# Altium PCB PCB_ALMA_TESLA.PcbDoc (part 3 of 3)
Units mm, origin at the board's own origin, x right, y up, seen from the top; angles counter-clockwise.
Board outline 100 x 100 mm, 10 copper layers (Top Layer - Signal General / Componentes SoC, GND1 - Plano Tierra Principal, Inner SIG1 - Control / I2C / UART / GPIO / SAI2, PWR1 - Alimentacion Principal (3.3V / 1.8V / VDD_ARM), Inner SIG2 - LPDDR4 / eMMC (Bus Critico), Inner SIG3 - MIPI DSI / USB / Diferenciales, PWR2 - Alimentacion Auxiliar (1.0V / VDDQ / VBUS), Inner SIG4 - Audio SAI2 / BT UART / Clocks / Low-Noise, GND2 - Plano Tierra Retorno, Bottom Layer - Signal Perifericos / GPIO / Conectores), stack 1.564 mm thick; 82 components, 94 nets, 1091 pads, 206 vias.
Unrouted connection lines stored in the file: 13.
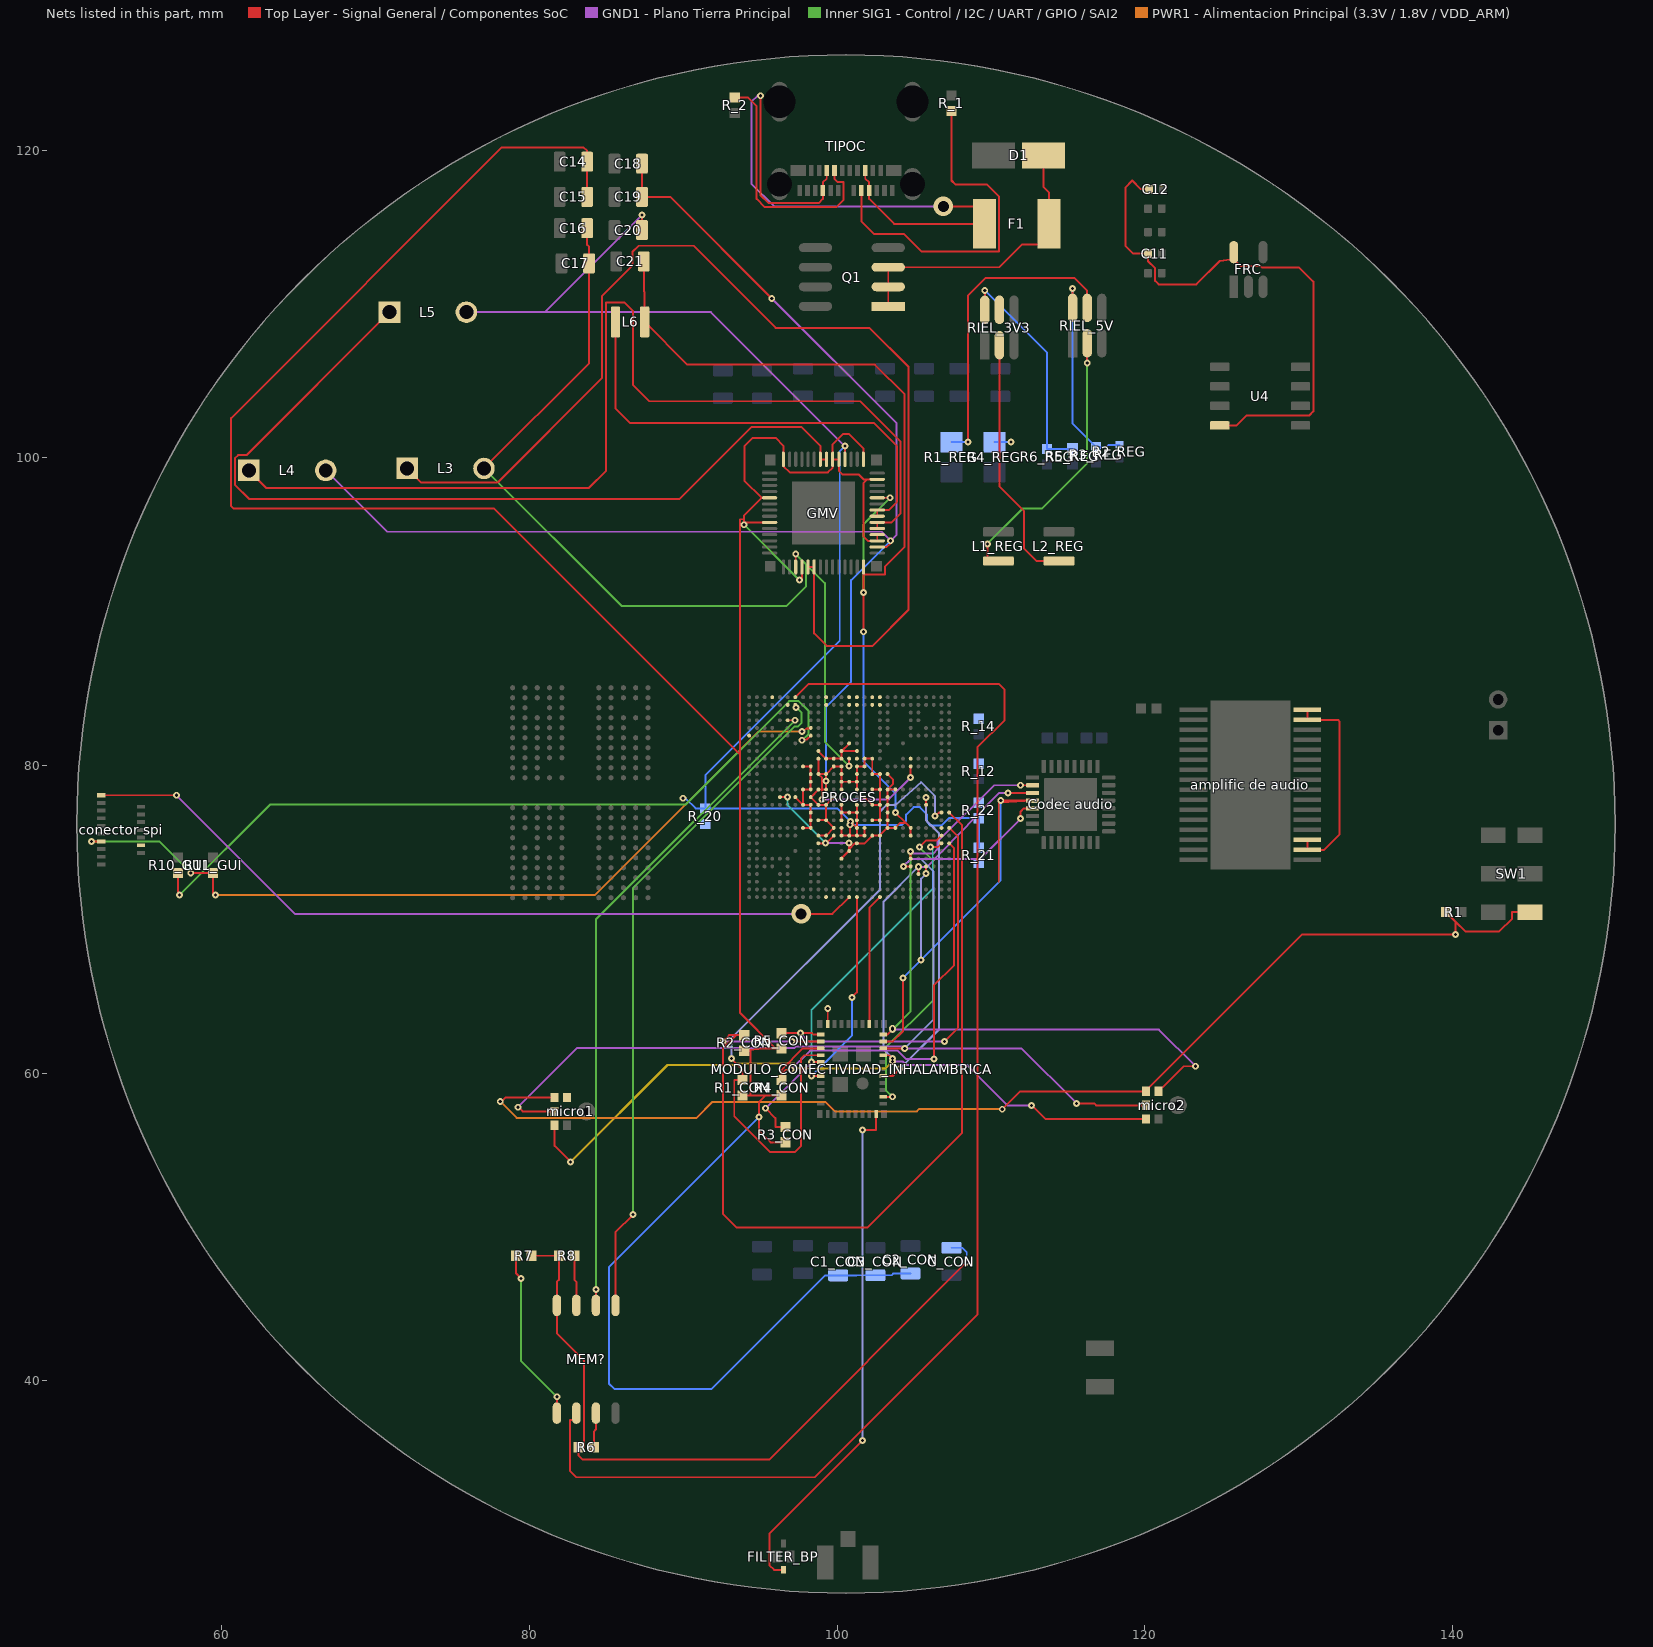
[diagram p11: the nets of this part, all layers, seen from the top]

## Via types
v1: diameter 0.45, hole 0.2, Top Layer - Signal General / Componentes SoC to Bottom Layer - Signal Perifericos / GPIO / Conectores, 147 vias
v2: diameter 0.5, hole 0.2, Top Layer - Signal General / Componentes SoC to Bottom Layer - Signal Perifericos / GPIO / Conectores, 41 vias
v3: diameter 0.5, hole 0.3, Top Layer - Signal General / Componentes SoC to Bottom Layer - Signal Perifericos / GPIO / Conectores, 16 vias
v4: diameter 1.27, hole 0.711, Top Layer - Signal General / Componentes SoC to Bottom Layer - Signal Perifericos / GPIO / Conectores, 2 vias

## Nets (pads, with @x,y where several pads share a name; then routed paths per layer and width w, separated by ;. In a path a pad name is that pad's centre, name@x,y a point inside that pad or via, vN(x,y) a via of type N, cw(c..) or ccw(c..) an arc to the next point about the centre after c; other vN are vias at no path point) (continued)
NetC_CON_2: C_CON.2 MEM?.8 R6.1 R7.2 R8.1 | length 48.3
  Top Layer - Signal General / Componentes SoC w0.127: R7.2@80.137,48.133 R8.1@81.927,48.133 81.927,46.57 81.788,46.431 MEM?.8@81.788,44.902 81.788,43.104 83.541,41.351 83.541,35.687 R6.1@83.191,35.687 83.191,35.154 83.47,34.874 95.58,34.874 v1(108.433,47.727)
  Bottom Layer - Signal Perifericos / GPIO / Conectores w0.127: C_CON.2@107.442,48.653 108.141,48.653 108.433,48.362 v1(108.433,47.727)
"NetCodec audio_2": "Codec audio.2" micro1.4 micro2.4 MODULO_CONECTIVIDAD_INHALAMBRICA.11 PROCES.AB22 | length 47.2
  Top Layer - Signal General / Componentes SoC w0.127: MODULO_CONECTIVIDAD_INHALAMBRICA.11@102.997,62.517 103.285,62.517 v1@103.599,62.831 ; PROCES.AB22@104.79,73.946 v1(104.79,74.422) ; v1(111.938,78.72) 112.714,78.72 ; micro2.4@120.904,58.823 120.904,58.862 121.102,59.059 121.14,59.059 122.533,60.452 v1(123.317,60.452)
  GND1 - Plano Tierra Principal w0.127: v1(103.607,62.839) 120.93,62.839 v1(123.317,60.452)
  Inner SIG1 - Control / I2C / UART / GPIO / SAI2 w0.127: v1(103.607,62.839) 104.79,64.022 v1(104.79,74.422)
  Inner SIG4 - Audio SAI2 / BT UART / Clocks / Low-Noise w0.127: v1(104.79,74.422) 104.926,74.286 106.274,74.286 106.531,74.543 106.531,75.035 110.217,78.72 v1(111.938,78.72)
  other v1: 103.599,62.923
"NetCodec audio_3": "Codec audio.3" micro1.1 micro2.1 MODULO_CONECTIVIDAD_INHALAMBRICA.8 PROCES.AD23 | length 69
  Top Layer - Signal General / Componentes SoC w0.127: micro1.1@81.635,56.615 81.635,55.271 v1(82.677,54.229) ; MODULO_CONECTIVIDAD_INHALAMBRICA.8@102.997,61.167 103.4,61.167 v1@103.599,60.968 ; v1@103.599,60.96 v1@103.599,60.968 ; v1(103.607,60.96) v1@103.599,60.968 ; PROCES.AD23@105.29,72.946 v1(105.29,73.406) v1(105.29,73.426) ; v1(111.125,78.22) 112.714,78.22 ; v1(112.649,57.912) 113.538,57.023 micro2.1@120.082,57.023
  GND1 - Plano Tierra Principal w0.127: v1(103.599,60.761) 104.285,60.761 104.526,60.519 108.471,60.519 111.078,57.912 v1(112.649,57.912)
  Inner SIG2 - LPDDR4 / eMMC (Bus Critico) w0.127: v1(103.607,60.96) 103.022,61.544 103.022,71.158 v1(105.29,73.426)
  Inner SIG3 - MIPI DSI / USB / Diferenciales w0.127: v1(82.677,54.229) 88.98,60.532 93.4,60.532 93.507,60.639 97.175,60.639 97.512,60.301 103.14,60.301 v1(103.599,60.761)
  Inner SIG4 - Audio SAI2 / BT UART / Clocks / Low-Noise w0.127: v1(105.29,73.406) 105.856,73.406 110.104,77.783 110.541,78.22 v1(111.125,78.22)
"NetCodec audio_4": "Codec audio.4" MODULO_CONECTIVIDAD_INHALAMBRICA.10 PROCES.AC24 | length 34.9
  Top Layer - Signal General / Componentes SoC w0.127: MODULO_CONECTIVIDAD_INHALAMBRICA.10@102.997,62.067 103.632,62.067 104.276,62.711 v1(104.276,66.176) ; v1(105.79,72.974) PROCES.AC24@105.79,73.446 ; 110.515,72.415 110.515,77.597 110.649,77.604 112.714,77.72 110.646,77.72 v1(110.642,77.724)
  Inner SIG2 - LPDDR4 / eMMC (Bus Critico) w0.127: v1(105.461,67.361) 105.461,72.645 v1(105.79,72.974)
  Bottom Layer - Signal Perifericos / GPIO / Conectores w0.127: v1(104.276,66.176) v1(105.461,67.361) 110.515,72.415 110.642,72.542 v1(110.642,77.724)
"NetCodec audio_5": "Codec audio.5" micro1.6 micro2.6 MODULO_CONECTIVIDAD_INHALAMBRICA.9 PROCES.AC22 | length 73.4
  Top Layer - Signal General / Componentes SoC w0.127: v1(79.248,57.785) 79.296,57.785 79.566,57.515 micro1.6@81.635,57.515 ; MODULO_CONECTIVIDAD_INHALAMBRICA.9@102.997,61.617 v1(104.394,61.617) ; v1(104.31,73.446) PROCES.AC22@104.79,73.446 ; v1(111.938,76.556) 111.938,77.013 112.145,77.22 112.714,77.22 ; v1(115.57,58.039) 116.713,58.039 116.84,57.912 120.071,57.912 micro2.6@120.082,57.923
  GND1 - Plano Tierra Principal w0.127: v1(79.248,57.785) 83.114,61.651 97.251,61.651 97.321,61.722 104.3,61.722 v1(104.405,61.617) 111.992,61.617 v1(115.57,58.039) ; v1(104.31,73.446) 104.779,73.914 109.296,73.914 v1(111.938,76.556)
  Inner SIG2 - LPDDR4 / eMMC (Bus Critico) w0.127: v1(104.31,73.446) 104.779,73.914 105.461,73.914 106.283,73.092 106.283,63.506 v1(104.394,61.617)
NetDDRAM_C3: PROCES.A4
NetDDRAM_E11: R_21.2
NetDDRAM_J4: R_12.2
NetDDRAM_J5: R_14.2
NetDDRAM_T2: R_22.2
NetDDRAM_U4: PROCES.F1
NetDDRAM_U9: R_20.1
NetFILTER_BP_1: FILTER_BP.1 MODULO_CONECTIVIDAD_INHALAMBRICA.41 | length 33.8
  Top Layer - Signal General / Componentes SoC w0.127: FILTER_BP.1@96.52,27.725 96.52,27.711 95.91,27.711 95.606,28.016 95.606,30.074 v1(101.651,36.119) ; v1(101.651,56.312) 102.547,56.312 MODULO_CONECTIVIDAD_INHALAMBRICA.41@102.547,57.342
  Inner SIG2 - LPDDR4 / eMMC (Bus Critico) w0.127: v1(101.651,36.119) v1(101.651,56.312)
NetGMV_19: GMV.19 GMV.20 L3.1 | length 74.2
  Top Layer - Signal General / Componentes SoC w0.127: L3.1@72.049,99.314 72.963,98.4 77.927,98.4 84.734,105.207 84.734,110.541 86.69,112.497 86.69,113.386 87.097,113.792 90.678,113.792 96.012,108.458 102.108,108.458 104.648,105.918 104.648,90.119 102.311,87.782 99.329,87.782 98.516,88.595 GMV.20@98.516,92.909 GMV.19@98.116,92.909
NetGMV_33: GMV.33 GMV.34 L4.1 | length 67.6
  Top Layer - Signal General / Componentes SoC w0.127: L4.1@61.762,99.187 62.905,98.044 83.871,98.044 84.988,99.162 84.988,110.109 86.157,110.109 86.741,109.525 86.741,104.724 87.782,103.683 101.498,103.683 104.14,101.041 104.14,96.393 103.556,95.809 GMV.34@102.616,95.809 GMV.33@102.616,95.409
NetGMV_35: GMV.35 GMV.36 L6.1 | length 30.5
  Top Layer - Signal General / Componentes SoC w0.127: L6.1@85.598,108.839 85.598,103.226 86.563,102.26 102.413,102.26 103.886,100.787 103.886,97.13 103.365,96.609 GMV.36@102.616,96.609 GMV.35@102.616,96.209
NetGMV_49: GMV.49 GMV.50 L5.1 | length 57.9
  Top Layer - Signal General / Componentes SoC w0.127: L5.1@70.906,109.474 61.61,100.178 61.062,100.178 60.858,99.974 60.858,98.247 61.773,97.333 89.764,97.333 94.437,102.006 97.697,102.006 98.916,100.787 GMV.50@98.916,99.909 GMV.49@99.316,99.909
NetL1_REG_1: L1_REG.1 RIEL_5V.2 | length 18.3
  Top Layer - Signal General / Componentes SoC w0.127: v1(109.779,94.412) 109.779,93.295 L1_REG.1@110.49,93.295 ; v1(116.266,106.172) RIEL_5V.2@116.266,107.453
  Inner SIG1 - Control / I2C / UART / GPIO / SAI2 w0.127: v1(109.779,94.412) 112.09,96.723 113.335,96.723 116.266,99.654 v1(116.266,106.172)
NetL2_REG_1: L2_REG.1 RIEL_3V3.2 | length 16.5
  Top Layer - Signal General / Componentes SoC w0.127: RIEL_3V3.2@110.556,107.326 110.556,98.156 112.166,96.545 112.166,94.108 112.979,93.295 L2_REG.1@114.427,93.295
NetMEM?_1: MEM?.1 R7.1 | length 11.3
  Top Layer - Signal General / Componentes SoC w0.127: R7.1@79.133,48.133 79.133,46.978 v1(79.451,46.66) ; MEM?.1@81.788,37.902 v1(81.788,38.964)
  Inner SIG1 - Control / I2C / UART / GPIO / SAI2 w0.127: v1(79.451,46.66) 79.451,41.3 v1(81.788,38.964)
NetMEM?_3: MEM?.3 R6.2 | length 2.3
  Top Layer - Signal General / Componentes SoC w0.127: R6.2@84.195,35.687 84.195,36.703 84.328,36.836 MEM?.3@84.328,37.902
NetMEM?_7: MEM?.7 R8.2 | length 3.3
  Top Layer - Signal General / Componentes SoC w0.127: R8.2@82.931,48.133 82.931,46.558 83.058,46.431 MEM?.7@83.058,44.902
NetMODULO_CONECTIVIDAD_INHALAMBRICA_2: MODULO_CONECTIVIDAD_INHALAMBRICA.2 PROCES.W26 | length 20.4
  Top Layer - Signal General / Componentes SoC w0.127: MODULO_CONECTIVIDAD_INHALAMBRICA.2@102.997,58.467 103.603,58.467 v1(103.607,58.471) ; v1(105.359,74.701) 105.775,75.117 106.461,75.117 PROCES.W26@106.79,75.446
  GND2 - Plano Tierra Retorno w0.127: v1(103.607,58.471) 103.175,58.903 103.175,61.671 106.223,64.719 106.223,73.838 v1(105.359,74.701)
NetMODULO_CONECTIVIDAD_INHALAMBRICA_5: MODULO_CONECTIVIDAD_INHALAMBRICA.5 PROCES.R24 | length 20.8
  Top Layer - Signal General / Componentes SoC w0.127: MODULO_CONECTIVIDAD_INHALAMBRICA.5@102.997,59.817 103.607,59.817 v1(104.064,60.274) ; PROCES.R24@105.79,77.446 v1(105.791,77.927) v1(105.791,77.927)
  Inner SIG2 - LPDDR4 / eMMC (Bus Critico) w0.127: v1(104.064,60.274) 106.629,62.84 106.629,75.589 105.791,76.428 v1(105.791,77.927)
NetMODULO_CONECTIVIDAD_INHALAMBRICA_14: MODULO_CONECTIVIDAD_INHALAMBRICA.14 PROCES.AG18 | length 8.5
  Top Layer - Signal General / Componentes SoC w0.127: MODULO_CONECTIVIDAD_INHALAMBRICA.14@102.097,63.192 102.097,70.753 PROCES.AG18@102.79,71.446
NetMODULO_CONECTIVIDAD_INHALAMBRICA_20: MODULO_CONECTIVIDAD_INHALAMBRICA.20 PROCES.V26 | length 1
  Top Layer - Signal General / Componentes SoC w0.127: MODULO_CONECTIVIDAD_INHALAMBRICA.20@99.397,63.192 v1(99.397,64.2)
NetMODULO_CONECTIVIDAD_INHALAMBRICA_22: MODULO_CONECTIVIDAD_INHALAMBRICA.22 PROCES.V27 R5_CON.2 | length 26.7
  Top Layer - Signal General / Componentes SoC w0.127: R5_CON.2@96.393,62.605 v1(97.618,62.605) 98.371,62.605 98.46,62.517 MODULO_CONECTIVIDAD_INHALAMBRICA.22@98.947,62.517 ; v1(106.985,62.052) 107.874,62.941 107.874,75.362 PROCES.V27@107.29,75.946
  GND1 - Plano Tierra Principal w0.127: v1(97.618,62.605) 98.171,62.052 v1(106.985,62.052)
NetMODULO_CONECTIVIDAD_INHALAMBRICA_23: MODULO_CONECTIVIDAD_INHALAMBRICA.23 PROCES.T27 R2_CON.2 | length 59.5
  Top Layer - Signal General / Componentes SoC w0.127: v1(92.583,62.067) 92.988,62.472 93.447,62.472 ; R2_CON.2@93.98,62.472 93.447,62.472 ; v1(97.079,62.067) MODULO_CONECTIVIDAD_INHALAMBRICA.23@98.947,62.067 ; PROCES.T27@107.29,76.946 108.128,76.108 108.128,56.134 101.956,49.962 93.472,49.962 92.583,50.851 92.583,61.609 93.447,62.472
  GND1 - Plano Tierra Principal w0.127: v1(92.583,62.067) v1(97.079,62.067)
NetMODULO_CONECTIVIDAD_INHALAMBRICA_24: MODULO_CONECTIVIDAD_INHALAMBRICA.24 PROCES.Y27 R4_CON.2 | length 29.2
  Top Layer - Signal General / Componentes SoC w0.127: R4_CON.2@96.393,59.563 96.393,59.944 ; v1(97.003,60.223) 96.672,60.223 96.393,59.944 ; MODULO_CONECTIVIDAD_INHALAMBRICA.24@98.947,61.617 97.787,61.617 96.393,60.223 96.393,59.944 ; v1(106.299,60.935) 106.299,65.71 107.62,67.031 107.62,74.616 PROCES.Y27@107.29,74.946
  GND1 - Plano Tierra Principal w0.127: v1(97.003,60.223) 98.247,61.468 103.937,61.468 104.47,60.935 v1(106.299,60.935)
NetMODULO_CONECTIVIDAD_INHALAMBRICA_25: MODULO_CONECTIVIDAD_INHALAMBRICA.25 PROCES.T26 R1_CON.2 | length 43.7
  Top Layer - Signal General / Componentes SoC w0.127: v1(93.129,60.947) 93.853,60.223 R1_CON.2@93.853,59.557 93.32,59.557 93.32,57.201 95.656,54.864 97.257,54.864 97.663,55.27 97.663,60.96 97.87,61.167 MODULO_CONECTIVIDAD_INHALAMBRICA.25@98.947,61.167 ; v1(106.375,76.708) 106.613,76.946 PROCES.T26@106.79,76.946
  Inner SIG2 - LPDDR4 / eMMC (Bus Critico) w0.127: v1(93.129,60.947) 93.129,62.268 102.794,71.933 102.794,77.013 103.226,77.445 103.81,77.445 105.461,78.918 106.375,78.003 v1(106.375,76.708)
NetMODULO_CONECTIVIDAD_INHALAMBRICA_26: MODULO_CONECTIVIDAD_INHALAMBRICA.26 PROCES.Y26 R3_CON.2 | length 25.1
  Top Layer - Signal General / Componentes SoC w0.127: v1(95.352,57.72) 95.987,57.085 95.987,56.509 R3_CON.2@96.647,56.509 ; v1(98.349,60.717) MODULO_CONECTIVIDAD_INHALAMBRICA.26@98.947,60.717 ; v1(106.07,74.701) 106.545,74.701 PROCES.Y26@106.79,74.946
  PWR2 - Alimentacion Auxiliar (1.0V / VDDQ / VBUS) w0.127: v1(98.349,60.717) 98.349,64.11 106.223,71.984 106.223,74.549 v1(106.07,74.701)
  Inner SIG4 - Audio SAI2 / BT UART / Clocks / Low-Noise w0.127: v1(95.352,57.72) v1(98.349,60.717)
NetMODULO_CONECTIVIDAD_INHALAMBRICA_28: MODULO_CONECTIVIDAD_INHALAMBRICA.28 PROCES.AG15 | length 13.4
  Top Layer - Signal General / Componentes SoC w0.127: v1(98.349,59.817) MODULO_CONECTIVIDAD_INHALAMBRICA.28@98.947,59.817 ; v1(100.965,64.922) 101.29,65.247 PROCES.AG15@101.29,71.446
  Bottom Layer - Signal Perifericos / GPIO / Conectores w0.127: v1(98.349,59.817) 100.965,62.433 v1(100.965,64.922)
NetPROCES_A11: PROCES.A11
NetPROCES_A14: PROCES.A14
NetPROCES_A15: PROCES.A15
NetPROCES_A17: PROCES.A17
NetPROCES_A18: PROCES.A18
NetPROCES_B11: PROCES.B11
NetPROCES_B14: PROCES.B14
NetPROCES_B15: PROCES.B15
NetPROCES_B17: PROCES.B17
NetPROCES_B18: PROCES.B18
NetR1_REG_2: R1_REG.2 RIEL_5V.5 | length 20.3
  Top Layer - Signal General / Componentes SoC w0.127: v1(108.509,101.021) 108.509,110.541 109.677,111.709 115.418,111.709 116.266,110.861 RIEL_5V.5@116.266,109.754
  Bottom Layer - Signal Perifericos / GPIO / Conectores w0.127: R1_REG.2@107.442,101.021 v1(108.509,101.021)
NetR2_REG_2: R2_REG.2 R3_REG.2 RIEL_5V.6 | length 13.8
  Top Layer - Signal General / Componentes SoC w0.127: RIEL_5V.6@115.316,109.754 v1(115.316,111.023)
  Bottom Layer - Signal Perifericos / GPIO / Conectores w0.127: v1(115.316,111.023) 115.316,102.219 R3_REG.2@116.84,100.695 117.5,100.695 117.654,100.849 R2_REG.2@118.364,100.849
NetR4_REG_2: R4_REG.2 RIEL_3V3.5 | length 1.1
  Bottom Layer - Signal Perifericos / GPIO / Conectores w0.127: R4_REG.2@110.236,101.021 v1(111.313,101.021)
NetR5_REG_1: R5_REG.1 R6_REG.2 RIEL_3V3.6 | length 14.9
  Top Layer - Signal General / Componentes SoC w0.127: RIEL_3V3.6@109.606,109.627 v1(109.606,110.896)
  Bottom Layer - Signal Perifericos / GPIO / Conectores w0.127: v1(109.606,110.896) 113.665,106.837 R6_REG.2@113.665,100.576 114.478,100.576 114.486,100.584 R5_REG.1@115.316,100.584
NetR_1_1: R_1.1 TIPOC.A5 | length 23.4
  Top Layer - Signal General / Componentes SoC w0.127: TIPOC.A5@101.584,117.388 101.584,115.383 102.413,114.554 104.369,114.554 105.512,113.411 110.541,113.411 110.541,116.967 109.728,117.78 107.696,117.78 107.442,118.034 R_1.1@107.442,122.555
NetR_2_1: R_2.1 TIPOC.B5 | length 16.2
  Top Layer - Signal General / Componentes SoC w0.127: R_2.1@93.345,123.432 94.207,123.432 94.769,122.87 94.769,116.835 95.301,116.303 99.946,116.303 100.432,116.789 100.432,117.932 100.037,117.932 99.834,118.135 TIPOC.B5@99.834,118.688
RST: "conector spi.17" PROCES.AG14 | length 52.3
  Top Layer - Signal General / Componentes SoC w0.127: 52.167,78.069 v1(57.048,78.069) ; v4(97.663,70.358) 99.702,70.358 PROCES.AG14@100.79,71.446
  GND1 - Plano Tierra Principal w0.127: v1(57.048,78.069) 64.759,70.358 v4(97.663,70.358)
SCL_0: "conector spi.11" PROCES.E9 R11_GUI.1 | length 54.1
  Top Layer - Signal General / Componentes SoC w0.127: v1(51.537,75.057) 51.549,75.069 52.167,75.069 ; v1(57.988,73.025) R11_GUI.1@59.436,73.025 59.436,71.726 v1(59.588,71.574) ; v1(97.73,82.22) 97.818,82.22 98.019,82.422 98.266,82.422 PROCES.E9@98.29,82.446
  PWR1 - Alimentacion Principal (3.3V / 1.8V / VDD_ARM) w0.127: v1(59.588,71.574) 84.262,71.574 94.888,82.2 97.642,82.2 97.663,82.22 v1(97.73,82.22)
  GND2 - Plano Tierra Retorno w0.127: v1(51.537,75.057) 55.956,75.057 v1(57.988,73.025)
SDA_0: "conector spi.12"
SDA_1: PROCES.F9 R10_GUI.1 | length 50.7
  Top Layer - Signal General / Componentes SoC w0.127: R10_GUI.1@57.15,73.025 57.15,71.675 v1(57.252,71.574) ; v1(97.727,81.643) 97.789,81.705 98.049,81.705 PROCES.F9@98.29,81.946
  Inner SIG1 - Control / I2C / UART / GPIO / SAI2 w0.127: v1(57.252,71.574) 63.139,77.461 90.149,77.461 96.881,84.192 97.513,84.192 98.146,83.56 98.146,82.048 97.741,81.643 v1(97.727,81.643)
SPI_CLK: MEM?.6 PROCES.D6 | length 43.9
  Top Layer - Signal General / Componentes SoC w0.127: MEM?.6@84.328,44.902 v1(84.328,45.949) ; PROCES.D6@96.79,82.946 v1(97.282,82.946)
  Inner SIG1 - Control / I2C / UART / GPIO / SAI2 w0.127: v1(84.328,45.949) 84.328,69.992 v1(97.282,82.946)
SPI_CS: PROCES.B6
SPI_HOLD: PROCES.AF12
SPI_MISO: MEM?.2 PROCES.A7 | length 90.7
  Top Layer - Signal General / Componentes SoC w0.127: MEM?.2@83.058,37.902 83.058,37.465 82.652,37.465 82.652,34.138 83.058,33.731 98.552,33.731 109.118,44.298 109.118,81.178 110.896,82.956 110.896,84.938 110.541,85.293 98.137,85.293 PROCES.A7@97.29,84.446
SPI_MOSI: MEM?.5 PROCES.B7 | length 44.4
  Top Layer - Signal General / Componentes SoC w0.127: MEM?.5@85.598,44.902 85.598,49.657 v1(86.741,50.8) ; PROCES.B7@97.29,83.946 97.341,83.895 v1(97.341,83.777)
  Inner SIG1 - Control / I2C / UART / GPIO / SAI2 w0.127: v1(86.741,50.8) 86.741,72.046 97.226,82.53 97.454,82.53 97.697,82.774 97.697,83.421 v1(97.341,83.777)
SPI_WP: PROCES.AG11
VBUS_12V: F1.1 TIPOC.A4 TIPOC.A9 TIPOC.B4 TIPOC.B9 | length 45.9
  Top Layer - Signal General / Componentes SoC w0.127: v1(95.023,123.546) 95.023,117.092 95.558,116.557 98.801,116.557 99.084,116.84 TIPOC.A9@99.084,117.388 99.084,117.907 99.334,118.157 TIPOC.B4@99.334,118.688 ; TIPOC.B9@101.834,118.688 101.834,118.157 102.084,117.907 TIPOC.A4@102.084,117.388 102.084,116.84 103.71,115.214 109.582,115.214 F1.1@109.582,115.221 109.582,116.357 v4(106.909,116.357)
  GND1 - Plano Tierra Principal w0.127: v1(95.023,123.546) 94.844,123.546 94.437,123.139 94.437,117.831 95.91,116.357 v4(106.909,116.357)
VBUS_FUSED: D1.1 F1.2 Q1.1 Q1.2 Q1.3 | length 19.5
  Top Layer - Signal General / Componentes SoC w0.127: Q1.1@103.331,109.855 Q1.2@103.331,111.125 Q1.3@103.331,112.395 110.541,112.395 112.014,113.868 113.782,113.868 F1.2@113.782,115.221 113.782,117.246 113.434,117.594 D1.1@113.434,119.666
VCC5: C1_CON.1 C2_CON.1 C3_CON.1 C14.2 C15.2 GMV.5 GMV.9 GMV.18 GMV.31 GMV.32 GMV.41 GMV.43 GMV.47 GMV.48 GMV.56 R1_CON.1 R2_CON.1 R3_CON.1 R4_CON.1 R5_CON.1 | length 207.7
  Top Layer - Signal General / Componentes SoC w0.127: C15.2@83.755,116.967 C14.2@83.755,119.253 83.755,119.953 83.515,120.193 78.207,120.193 60.604,102.591 60.604,96.867 60.749,96.723 77.673,96.723 93.701,80.696 ; R1_CON.1@93.853,58.553 94.386,58.553 ; v1(93.955,95.656) v1@93.955,95.809 ; GMV.9@95.616,95.809 v1@93.955,95.809 ; GMV.5@95.616,97.409 95.098,97.409 ; R4_CON.1@96.393,58.559 95.363,58.559 ; R5_CON.1@96.393,61.601 96.012,61.601 ; R3_CON.1@96.647,55.505 95.684,55.505 94.92,56.269 v1(94.92,57.15) 94.92,58.115 95.363,58.559 ; v1(97.561,92.05) 97.716,92.204 GMV.18@97.716,92.909 ; GMV.43@101.716,99.909 101.716,100.62 100.787,101.549 100.381,101.549 99.716,100.884 GMV.48@99.716,99.909 ; GMV.32@102.616,95.009 GMV.31@102.616,94.609 102.001,94.609 101.716,94.894 101.716,98.349 101.976,98.609 ; GMV.41@102.616,98.609 101.976,98.609 ; 93.701,80.696 93.701,96.012 93.955,96.012 ; 93.701,80.696 93.701,63.912 96.012,61.601 ; v1@93.955,95.809 93.955,96.012 ; 93.955,96.012 93.955,96.266 95.098,97.409 ; 94.386,58.553 95.098,58.553 95.103,58.559 95.363,58.559 ; 94.386,58.553 94.386,61.468 R2_CON.1@93.98,61.468 95.23,61.601 96.012,61.601 ; 95.098,97.409 93.98,98.527 93.98,100.762 94.513,101.295 96.008,101.295 96.516,100.787 GMV.56@96.516,99.909 96.516,99.47 96.926,99.06 99.411,99.06 99.716,99.365 GMV.48@99.716,99.909 ; GMV.48@99.716,99.909 GMV.47@100.116,99.909 100.116,99.162 100.345,98.933 101.397,98.933 101.721,98.609 101.976,98.609
  GND2 - Plano Tierra Retorno w0.127: v1(93.955,95.656) v1(97.561,92.05)
  Bottom Layer - Signal Perifericos / GPIO / Conectores w0.127: v1(94.92,57.15) 85.166,47.396 85.166,39.827 85.522,39.472 91.857,39.472 99.238,46.852 C1_CON.1@100.076,46.852 101.27,46.852 101.281,46.863 C3_CON.1@102.489,46.863 103.556,46.863 103.672,46.979 C2_CON.1@104.775,46.979
VCC5V0: "amplific de audio.18" "amplific de audio.19" "amplific de audio.31" "amplific de audio.32" | length 13.3
  Top Layer - Signal General / Componentes SoC w0.127: 130.573,75.165 130.573,74.515 131.674,74.515 132.664,75.506 132.664,82.88 132.579,82.965 130.573,82.965 130.573,83.615
VCC_MICS: micro1.5 micro2.5 R1.1 SW1.1 | length 79.2
  Top Layer - Signal General / Componentes SoC w0.127: v1(78.105,58.166) 78.192,58.166 78.441,58.415 micro1.5@81.635,58.415 ; v1(110.744,57.658) 111.909,58.823 micro2.5@120.082,58.823 ; micro2.5@120.082,58.862 130.238,69.018 v1(140.208,69.018) 140.208,69.85 ; R1.1@139.589,70.469 140.208,69.85 ; SW1.1@145.05,70.469 143.891,70.469 143.891,70.053 143.053,69.215 140.843,69.215 140.208,69.85
  PWR1 - Alimentacion Principal (3.3V / 1.8V / VDD_ARM) w0.127: v1(78.105,58.166) 79.17,57.101 90.872,57.101 91.906,58.135 99.24,58.135 99.853,57.522 105.187,57.522 105.323,57.658 v1(110.744,57.658)
VCC_SON: C11.2 C12.2 FRC.5 U4.4 | length 36.4
  Top Layer - Signal General / Componentes SoC w0.127: C12.2@120.285,117.475 119.761,117.475 119.202,118.034 118.745,117.577 118.745,113.792 119.253,113.284 C11.2@120.216,113.284 120.216,112.801 120.675,112.342 120.675,111.506 120.904,111.277 123.368,111.277 124.892,112.801 FRC.5@125.796,112.928 ; U4.4@124.883,102.108 125.984,102.108 126.619,102.743 130.683,102.743 130.962,103.022 130.962,111.455 130.048,112.37 127.635,112.37 127.533,112.471 126.253,112.471 FRC.5@125.796,112.928 ; FRC.5@125.796,113.376 FRC.5@125.796,112.928
VDD_1V8_DIGITAL: C21.2 GMV.28 GMV.38 L6.2 PROCES.AA14 PROCES.AB13 PROCES.G14 PROCES.H10 PROCES.H13 PROCES.H15 PROCES.J11 PROCES.J12 PROCES.J13 PROCES.J22 PROCES.L19 PROCES.N19 PROCES.N20 PROCES.P5 PROCES.P19 PROCES.R19 PROCES.T19 PROCES.U19 PROCES.V19 PROCES.V20 PROCES.V22 PROCES.W12 PROCES.W17 PROCES.W18 PROCES.W22 PROCES.Y10 PROCES.Y15 | length 83.9
  Top Layer - Signal General / Componentes SoC w0.127: C21.2@87.438,112.776 87.438,110.829 87.498,110.769 L6.2@87.498,108.839 90.267,106.07 102.464,106.07 104.394,104.14 104.394,94.213 103.106,92.926 103.106,92.418 GMV.28@101.716,92.418 ; PROCES.P5@96.29,77.946 v1(96.774,77.946) ; PROCES.Y10@98.79,74.946 v1@99.254,74.946 ; PROCES.H10@98.79,80.946 98.79,80.937 99.281,80.446 PROCES.J11@99.29,80.446 PROCES.J12@99.79,80.446 PROCES.J13@100.29,80.446 PROCES.H13@100.29,80.946 PROCES.H13@100.312,80.946 ; v1(99.263,74.955) v1@99.254,74.946 ; PROCES.W12@99.79,75.446 99.29,74.946 v1@99.254,74.946 ; PROCES.AB13@100.29,73.946 100.29,73.957 100.779,74.446 PROCES.AA14@100.79,74.446 100.79,74.574 ; v1(100.79,74.955) 100.79,74.574 ; PROCES.G14@100.79,81.446 100.79,81.424 PROCES.H13@100.312,80.946 ; PROCES.H15@101.29,80.946 PROCES.H13@100.312,80.946 ; v1(101.716,88.697) v1(101.716,91.262) GMV.28@101.716,92.418 ; GMV.28@101.716,92.909 GMV.28@101.716,92.418 ; GMV.38@102.616,97.409 v1(103.454,97.409) ; PROCES.L19@103.29,79.446 103.632,79.104 103.632,78.788 PROCES.N19@103.29,78.446 ; PROCES.N20@103.79,78.446 PROCES.N19@103.29,78.446 ; v1(103.799,76.937) 104.46,76.276 ; PROCES.W22@104.79,75.446 PROCES.V22@104.79,75.946 104.46,76.276 ; 100.79,74.574 101.162,74.946 PROCES.Y15@101.29,74.946 101.79,74.946 PROCES.W17@102.29,75.446 PROCES.W18@102.79,75.446 102.79,75.468 103.268,75.946 PROCES.V19@103.29,75.946 ; PROCES.V19@103.29,75.946 PROCES.V20@103.79,75.946 104.12,76.276 104.46,76.276 ; PROCES.V19@103.29,75.946 PROCES.U19@103.29,76.446 PROCES.T19@103.29,76.946 PROCES.R19@103.29,77.446 PROCES.P19@103.29,77.946 PROCES.N19@103.29,78.446
  GND1 - Plano Tierra Principal w0.127: v1(99.263,74.955) v1(100.79,74.955)
  Inner SIG1 - Control / I2C / UART / GPIO / SAI2 w0.127: v1(101.716,91.262) 101.716,95.671 v1(103.454,97.409)
  PWR2 - Alimentacion Auxiliar (1.0V / VDDQ / VBUS) w0.127: v1(96.774,77.946) 96.774,77.445 v1(99.263,74.955)
  Bottom Layer - Signal Perifericos / GPIO / Conectores w0.127: v1(101.716,88.697) 101.716,80.293 103.799,78.21 v1(103.799,76.937)
VDD_ARM_0V8: C18.2 C19.2 GMV.30 L4.2 PROCES.J10 PROCES.J16 PROCES.J17 PROCES.K12 PROCES.K13 PROCES.K15 PROCES.K16 PROCES.K22 PROCES.L10 PROCES.L11 PROCES.L13 PROCES.L15 PROCES.L17 PROCES.L18 PROCES.M13 PROCES.M14 PROCES.M15 PROCES.N10 PROCES.N11 PROCES.N13 PROCES.N15 PROCES.N17 PROCES.N18 PROCES.P9 PROCES.P12 PROCES.P16 PROCES.R10 PROCES.R11 PROCES.R17 PROCES.R18 PROCES.U10 PROCES.U11 PROCES.U17 PROCES.U18 PROCES.V12 PROCES.W10 PROCES.W11 | length 121.4
  Top Layer - Signal General / Componentes SoC w0.127: C18.2@87.322,119.126 C19.2@87.322,116.967 89.154,116.967 v1(95.758,110.363) ; PROCES.W10@98.79,75.446 PROCES.W11@99.29,75.446 99.29,75.447 PROCES.V12@99.79,75.946 PROCES.V12@99.79,75.946 PROCES.U11@99.29,76.446 ; PROCES.U10@98.79,76.446 PROCES.U11@99.29,76.446 ; PROCES.J10@98.79,80.446 PROCES.L10@98.79,79.446 ; v1(99.035,77.8) 99.035,78.446 ; v1(99.289,78.994) PROCES.L11@99.289,79.446 ; PROCES.P12@99.79,77.946 PROCES.P12@99.79,77.946 PROCES.R11@99.29,77.446 PROCES.R11@99.29,77.446 ; PROCES.N13@100.29,78.446 PROCES.M13@100.29,78.946 ; PROCES.N15@101.29,78.446 PROCES.M15@101.29,78.946 ; PROCES.P16@101.79,77.946 101.79,77.934 102.278,77.446 PROCES.R17@102.29,77.446 PROCES.R18@102.79,77.446 ; PROCES.U17@102.29,76.446 PROCES.U18@102.79,76.446 PROCES.R18@102.79,77.446 ; PROCES.N17@102.29,78.446 PROCES.N18@102.79,78.446 ; GMV.30@102.616,94.209 103.226,94.209 103.48,94.463 v1(103.48,94.615) ; v1(104.79,79.223) PROCES.K22@104.79,79.946 ; PROCES.L10@98.79,79.446 PROCES.L11@99.289,79.446 ; PROCES.L10@98.79,79.446 99.035,79.201 99.035,78.446 ; 99.035,78.446 PROCES.N11@99.29,78.446 PROCES.L11@99.29,79.446 PROCES.L11@99.289,79.446 ; 99.035,78.446 PROCES.N10@98.79,78.446 98.79,78.427 98.309,77.946 PROCES.P9@98.29,77.946 98.29,77.929 98.773,77.446 PROCES.R10@98.79,77.446 PROCES.R11@99.29,77.446 ; PROCES.L11@99.289,79.446 PROCES.K12@99.79,79.946 PROCES.K12@99.79,79.946 PROCES.K13@100.29,79.946 PROCES.L13@100.29,79.446 PROCES.M13@100.29,78.946 ; PROCES.U11@99.29,76.446 PROCES.R11@99.29,77.446 ; PROCES.M13@100.29,78.946 PROCES.M14@100.79,78.946 PROCES.M15@101.29,78.946 ; PROCES.M15@101.29,78.946 PROCES.L15@101.29,79.446 PROCES.K15@101.29,79.946 PROCES.K16@101.79,79.946 PROCES.J16@101.79,80.446 PROCES.J17@102.29,80.446 PROCES.L17@102.29,79.446 PROCES.L18@102.79,79.446 PROCES.N18@102.79,78.446 ; PROCES.R18@102.79,77.446 PROCES.N18@102.79,78.446
  GND1 - Plano Tierra Principal w0.127: L4.2@66.762,99.187 70.75,95.199 102.896,95.199 v1(103.48,94.615) 103.87,95.005 103.87,102.251 v1(95.758,110.363) ; v1(99.035,77.8) 103.368,77.8 v1(104.79,79.223)
  Bottom Layer - Signal Perifericos / GPIO / Conectores w0.127: v1(99.289,78.994) 99.289,83.82 100.914,85.446 100.914,92.05 v1(103.48,94.615)
VDD_ARM_0V9: C16.2 C17.2 GMV.17 L3.2 PROCES.J14 | length 62.6
  Top Layer - Signal General / Componentes SoC w0.127: L3.2@77.049,99.314 83.882,106.147 C17.2@83.882,112.649 83.882,113.716 83.755,113.843 C16.2@83.755,114.935 ; GMV.17@97.316,92.909 v1(97.316,93.751) ; v1(100.787,79.959) 100.79,79.962 PROCES.J14@100.79,80.446
  Inner SIG1 - Control / I2C / UART / GPIO / SAI2 w0.127: v1(97.316,93.751) 99.212,91.855 99.212,81.534 v1(100.787,79.959)
  GND2 - Plano Tierra Retorno w0.127: L3.2@77.049,99.314 85.99,90.373 96.723,90.373 97.993,91.643 97.993,93.074 v1(97.316,93.751)
VDD_ARM_1V1: C20.2 GMV.46 L5.2 PROCES.J15 PROCES.K8 PROCES.K9 PROCES.L9 PROCES.M9 PROCES.N8 PROCES.N9 PROCES.P7 PROCES.R8 PROCES.R9 PROCES.R13 PROCES.R15 PROCES.T9 PROCES.T13 PROCES.T14 PROCES.T15 PROCES.U9 PROCES.U13 PROCES.U15 PROCES.V8 PROCES.V9 PROCES.V13 PROCES.V15 PROCES.V16 PROCES.W13 PROCES.W14 PROCES.W15 PROCES.W16 R_20.2 R_21.1 R_22.1 | length 104.4
  Top Layer - Signal General / Componentes SoC w0.127: C20.2@87.322,114.808 87.322,115.795 v1(87.325,115.799) ; PROCES.P7@97.29,77.946 97.29,77.938 97.782,77.446 PROCES.R8@97.79,77.446 ; PROCES.V8@97.79,75.946 PROCES.V9@98.29,75.946 PROCES.U9@98.29,76.446 PROCES.T9@98.29,76.946 PROCES.R9@98.29,77.446 PROCES.R8@97.79,77.446 ; PROCES.K8@97.79,79.946 PROCES.K9@98.29,79.946 PROCES.L9@98.29,79.446 PROCES.M9@98.29,78.946 PROCES.N9@98.29,78.446 PROCES.N8@97.79,78.446 PROCES.R8@97.79,77.446 ; PROCES.V13@100.29,75.946 PROCES.W13@100.29,75.446 PROCES.W14@100.79,75.446 ; PROCES.U13@100.29,76.446 PROCES.T13@100.29,76.946 ; PROCES.R13@100.29,77.446 PROCES.T13@100.29,76.946 ; v1(100.508,100.762) 100.516,100.754 GMV.46@100.516,99.909 ; v1(100.838,76.149) 100.838,75.494 PROCES.W14@100.79,75.446 ; v1(100.863,76.373) PROCES.V15@101.29,75.946 ; PROCES.R15@101.29,77.446 PROCES.T15@101.29,76.946 ; PROCES.V16@101.79,75.946 PROCES.W16@101.79,75.446 PROCES.W15@101.29,75.446 ; PROCES.T13@100.29,76.946 PROCES.T14@100.79,76.946 PROCES.T15@101.29,76.946 ; PROCES.W14@100.79,75.446 PROCES.W15@101.29,75.446 ; PROCES.W15@101.29,75.446 PROCES.V15@101.29,75.946 ; PROCES.V15@101.29,75.946 PROCES.U15@101.29,76.446 PROCES.T15@101.29,76.946
  Inner SIG4 - Audio SAI2 / BT UART / Clocks / Low-Noise w0.127: L5.2@75.906,109.474 81.001,109.474 ; v1(87.325,115.799) 81.001,109.474 ; v1(100.508,100.762) 91.796,109.474 81.001,109.474
  Bottom Layer - Signal Perifericos / GPIO / Conectores w0.127: v1(89.977,77.876) 90.14,77.876 90.807,77.21 R_20.2@91.44,77.21 ; v1(100.508,100.762) 100.178,100.432 100.178,88.113 91.44,79.375 R_20.2@91.44,77.21 ; v1(100.838,76.149) 104.242,76.149 104.496,76.403 104.496,76.81 104.978,77.292 105.385,77.292 105.867,76.81 105.867,76.302 106.07,76.098 106.782,76.098 107.264,76.581 R_22.1@109.22,76.581 R_21.1@109.22,74.664 ; v1(100.863,76.373) 100.026,77.21 R_20.2@91.44,77.21
pads on no net: "amplific de audio.1" "amplific de audio.3" "amplific de audio.4" "amplific de audio.5" "amplific de audio.6" "amplific de audio.7" "amplific de audio.8" "amplific de audio.13" "amplific de audio.14" "amplific de audio.15" "amplific de audio.16" "amplific de audio.17" "amplific de audio.20" "amplific de audio.24" "amplific de audio.26" "amplific de audio.27" "amplific de audio.29" "amplific de audio.30" "Codec audio.1" "Codec audio.6" "Codec audio.7" "Codec audio.8" "Codec audio.9" "Codec audio.10" "Codec audio.11" "Codec audio.12" "Codec audio.13" "Codec audio.14" "Codec audio.15" "Codec audio.16" "Codec audio.17" "Codec audio.18" "Codec audio.19" "Codec audio.20" "Codec audio.21" "Codec audio.22" "Codec audio.23" "Codec audio.24" "Codec audio.25" "Codec audio.26" "Codec audio.27" "Codec audio.28" "Codec audio.31" "Codec audio.32" "Codec audio.33" GMV.1 GMV.2 GMV.3 GMV.4 GMV.6 GMV.7 GMV.8 GMV.10 GMV.11 GMV.13 GMV.14 GMV.15 GMV.16 GMV.21 GMV.22 GMV.23 GMV.24 GMV.25 GMV.26 GMV.27 GMV.29 GMV.37 GMV.39 GMV.40 GMV.42 GMV.44 GMV.45 GMV.51 GMV.52 GMV.53 GMV.54 GMV.55 micro1. micro1.2 micro2. micro2.2 MODULO_CONECTIVIDAD_INHALAMBRICA.6 MODULO_CONECTIVIDAD_INHALAMBRICA.7 MODULO_CONECTIVIDAD_INHALAMBRICA.13 MODULO_CONECTIVIDAD_INHALAMBRICA.15 MODULO_CONECTIVIDAD_INHALAMBRICA.16 MODULO_CONECTIVIDAD_INHALAMBRICA.17 MODULO_CONECTIVIDAD_INHALAMBRICA.18 MODULO_CONECTIVIDAD_INHALAMBRICA.27 MODULO_CONECTIVIDAD_INHALAMBRICA.34 MODULO_CONECTIVIDAD_INHALAMBRICA.38 MODULO_CONECTIVIDAD_INHALAMBRICA.39 PROCES.A2 PROCES.A3 PROCES.A5 PROCES.A6 PROCES.A8 PROCES.A9 PROCES.A10 PROCES.A12 PROCES.A13 PROCES.A16 PROCES.A19 PROCES.A20 PROCES.A21 PROCES.A22 PROCES.A23 PROCES.A24 PROCES.A25 PROCES.A26 PROCES.AA1 PROCES.AA2 PROCES.AA26 PROCES.AA27 PROCES.AB1 PROCES.AB2 PROCES.AB4 PROCES.AB5 PROCES.AB6 PROCES.AB9 PROCES.AB10 PROCES.AB15 PROCES.AB18 PROCES.AB19 PROCES.AB23 PROCES.AB24 PROCES.AB26 PROCES.AB27 PROCES.AC1 PROCES.AC2 PROCES.AC4 PROCES.AC6 PROCES.AC9 PROCES.AC10 PROCES.AC13 PROCES.AC14 PROCES.AC15 PROCES.AC18 PROCES.AC19 PROCES.AC26 PROCES.AC27 PROCES.AD1 PROCES.AD2 PROCES.AD5 PROCES.AD6 PROCES.AD9 PROCES.AD10 PROCES.AD13 PROCES.AD15 PROCES.AD18 PROCES.AD19 PROCES.AD22 PROCES.AD26 PROCES.AD27 PROCES.AE1 PROCES.AE26 PROCES.AE27 PROCES.AF1 PROCES.AF2 PROCES.AF4 PROCES.AF5 PROCES.AF6 PROCES.AF7 PROCES.AF8 PROCES.AF9 PROCES.AF10 PROCES.AF11 PROCES.AF13 PROCES.AF15 PROCES.AF16 PROCES.AF17 PROCES.AF18 PROCES.AF19 PROCES.AF20 PROCES.AF21 PROCES.AF22 PROCES.AF23 PROCES.AF24 PROCES.AF25 PROCES.AF26 PROCES.AF27 PROCES.AG2 PROCES.AG3 PROCES.AG4 PROCES.AG5 PROCES.AG6 PROCES.AG7 PROCES.AG8 PROCES.AG9 PROCES.AG10 PROCES.AG12 PROCES.AG13 PROCES.AG16 PROCES.AG17 PROCES.AG19 PROCES.AG20 PROCES.AG21 PROCES.AG22 PROCES.AG23 PROCES.AG24 PROCES.AG25 PROCES.AG26 PROCES.B1 PROCES.B2 PROCES.B4 PROCES.B5 PROCES.B8 PROCES.B9 PROCES.B10 PROCES.B12 PROCES.B13 PROCES.B16 PROCES.B19 PROCES.B20 PROCES.B21 PROCES.B22 PROCES.B23 PROCES.B24 PROCES.B25 PROCES.B27 PROCES.C1 PROCES.C26 PROCES.C27 PROCES.D1 PROCES.D2 PROCES.D5 PROCES.D9 PROCES.D10 PROCES.D13 PROCES.D15 PROCES.D18 PROCES.D19 PROCES.D22 PROCES.D23 PROCES.D26 PROCES.D27 PROCES.E1 PROCES.E2 PROCES.E4 PROCES.E6 PROCES.E10 PROCES.E13 PROCES.E14 PROCES.E15 PROCES.E18 PROCES.E19 PROCES.E22 PROCES.E24 PROCES.E26 PROCES.E27 PROCES.F2 PROCES.F4 PROCES.F5 PROCES.F6 PROCES.F10 PROCES.F13 PROCES.F15 PROCES.F18 PROCES.F19 PROCES.F22 PROCES.F23 PROCES.F24 PROCES.F26 PROCES.F27 PROCES.G1 PROCES.G2 PROCES.G26 PROCES.G27 PROCES.H1 PROCES.H26 PROCES.H27 PROCES.J1 PROCES.J2 PROCES.J4 PROCES.J5 PROCES.J6 PROCES.J18 PROCES.J23 PROCES.J24 PROCES.J26 PROCES.J27 PROCES.K1 PROCES.K2 PROCES.K4 PROCES.K5 PROCES.K6 PROCES.K23 PROCES.K24 PROCES.K26 PROCES.K27 PROCES.L1 PROCES.L2 PROCES.L26 PROCES.L27 PROCES.M1 PROCES.M2 PROCES.M26 PROCES.M27 PROCES.N1 PROCES.N2 PROCES.N4 PROCES.N5 PROCES.N6 PROCES.N22 PROCES.N23 PROCES.N24 PROCES.N26 PROCES.N27 PROCES.P1 PROCES.P2 PROCES.P23 PROCES.P26 PROCES.P27 PROCES.R1 PROCES.R2 PROCES.R4 PROCES.R5 PROCES.R6 PROCES.R22 PROCES.R26 PROCES.R27 PROCES.T1 PROCES.T2 PROCES.U1 PROCES.U2 PROCES.U26 PROCES.U27 PROCES.V1 PROCES.V2 PROCES.V4 PROCES.V5 PROCES.V6 PROCES.V23 PROCES.V24 PROCES.W1 PROCES.W2 PROCES.W4 PROCES.W5 PROCES.W6 PROCES.W23 PROCES.W24 PROCES.W27 PROCES.Y1 R2.1 RIEL_3V3.4 RIEL_5V.4 SW1.2 SW1.3 SW1.5 SW1.6 SW1.7 TIPOC.1 TIPOC.2 TIPOC.3 TIPOC.4 TIPOC.A2 TIPOC.A3 TIPOC.A6 TIPOC.A7 TIPOC.A8 TIPOC.A10 TIPOC.A11 TIPOC.B2 TIPOC.B3 TIPOC.B6 TIPOC.B7 TIPOC.B8 TIPOC.B10 TIPOC.B11 U4.5 U4.7 U4.8
copper on no net: | length 314.2
  Top Layer - Signal General / Componentes SoC w0.254: 150.584,76.2 ccw(c100.584,76.2) 150.584,76.2
  other v2: 114.189,76.47 115.189,76.47 116.189,76.47 114.189,77.47 115.189,77.47 116.189,77.47 114.189,78.47 115.189,78.47 116.189,78.47

## Silkscreen, mask and mechanical layers (free items; w line width, h text height)
Top Overlay:
  lines w0.152: 78.003,72.707 78.257,72.707 ; 78.003,75.957 78.257,75.957 ; 78.003,79.207 78.257,79.207 ; 78.003,82.457 78.257,82.457 ; 82.112,70.675 82.112,70.929 ; 82.112,85.534 82.112,85.788 ; 86.112,70.675 86.112,70.929 ; 86.112,85.534 86.112,85.788 ; 88.367,72.707 88.621,72.707 ; 88.367,75.957 88.621,75.957 ; 88.367,79.207 88.621,79.207 ; 88.367,82.457 88.621,82.457 ; 78.13,70.802 78.13,85.661 88.494,85.661 88.494,70.802 78.13,70.802
  text "1" at 79.547,86.169 h1.27 r90
  text "12" at 88.347,86.169 h1.27 r90
  text "A" at 76.987,84.422 h1.27
  text ".Designator" at 79.819,77.597 h1.27
  text "AB" at 76.352,70.772 h1.27
Bottom Overlay:
  text "1" at 78.277,86.169 h1.27 r270
  text "12" at 87.077,86.169 h1.27 r270
  text "A" at 77.622,84.422 h1.27
  text "AB" at 77.622,70.772 h1.27
Top 3D Body:
  lines w0.025: 78.257,85.209 78.657,85.534 ; 78.257,70.929 78.257,85.534 88.367,85.534 88.367,70.929 78.257,70.929
  text "1" at 79.547,86.169 h1.27 r90
  text "12" at 88.347,86.169 h1.27 r90
  text "A" at 76.987,84.422 h1.27
  text ".Designator" at 79.819,77.597 h1.27
  text "AB" at 76.352,70.772 h1.27
Top Courtyard:
  lines w0.152: 78.003,70.675 88.621,70.675 88.621,85.788 78.003,85.788 78.003,70.675